# Altium PCB small air quality monitor.PcbDoc
Units mil, origin at the board's own origin, x right, y up, seen from the top; angles counter-clockwise.
Board outline 2075 x 1820 mil, 2 copper layers (Top Layer, Bottom Layer); 23 components, 21 nets, 103 pads, 3 vias.
Unrouted connection lines stored in the file: 61.
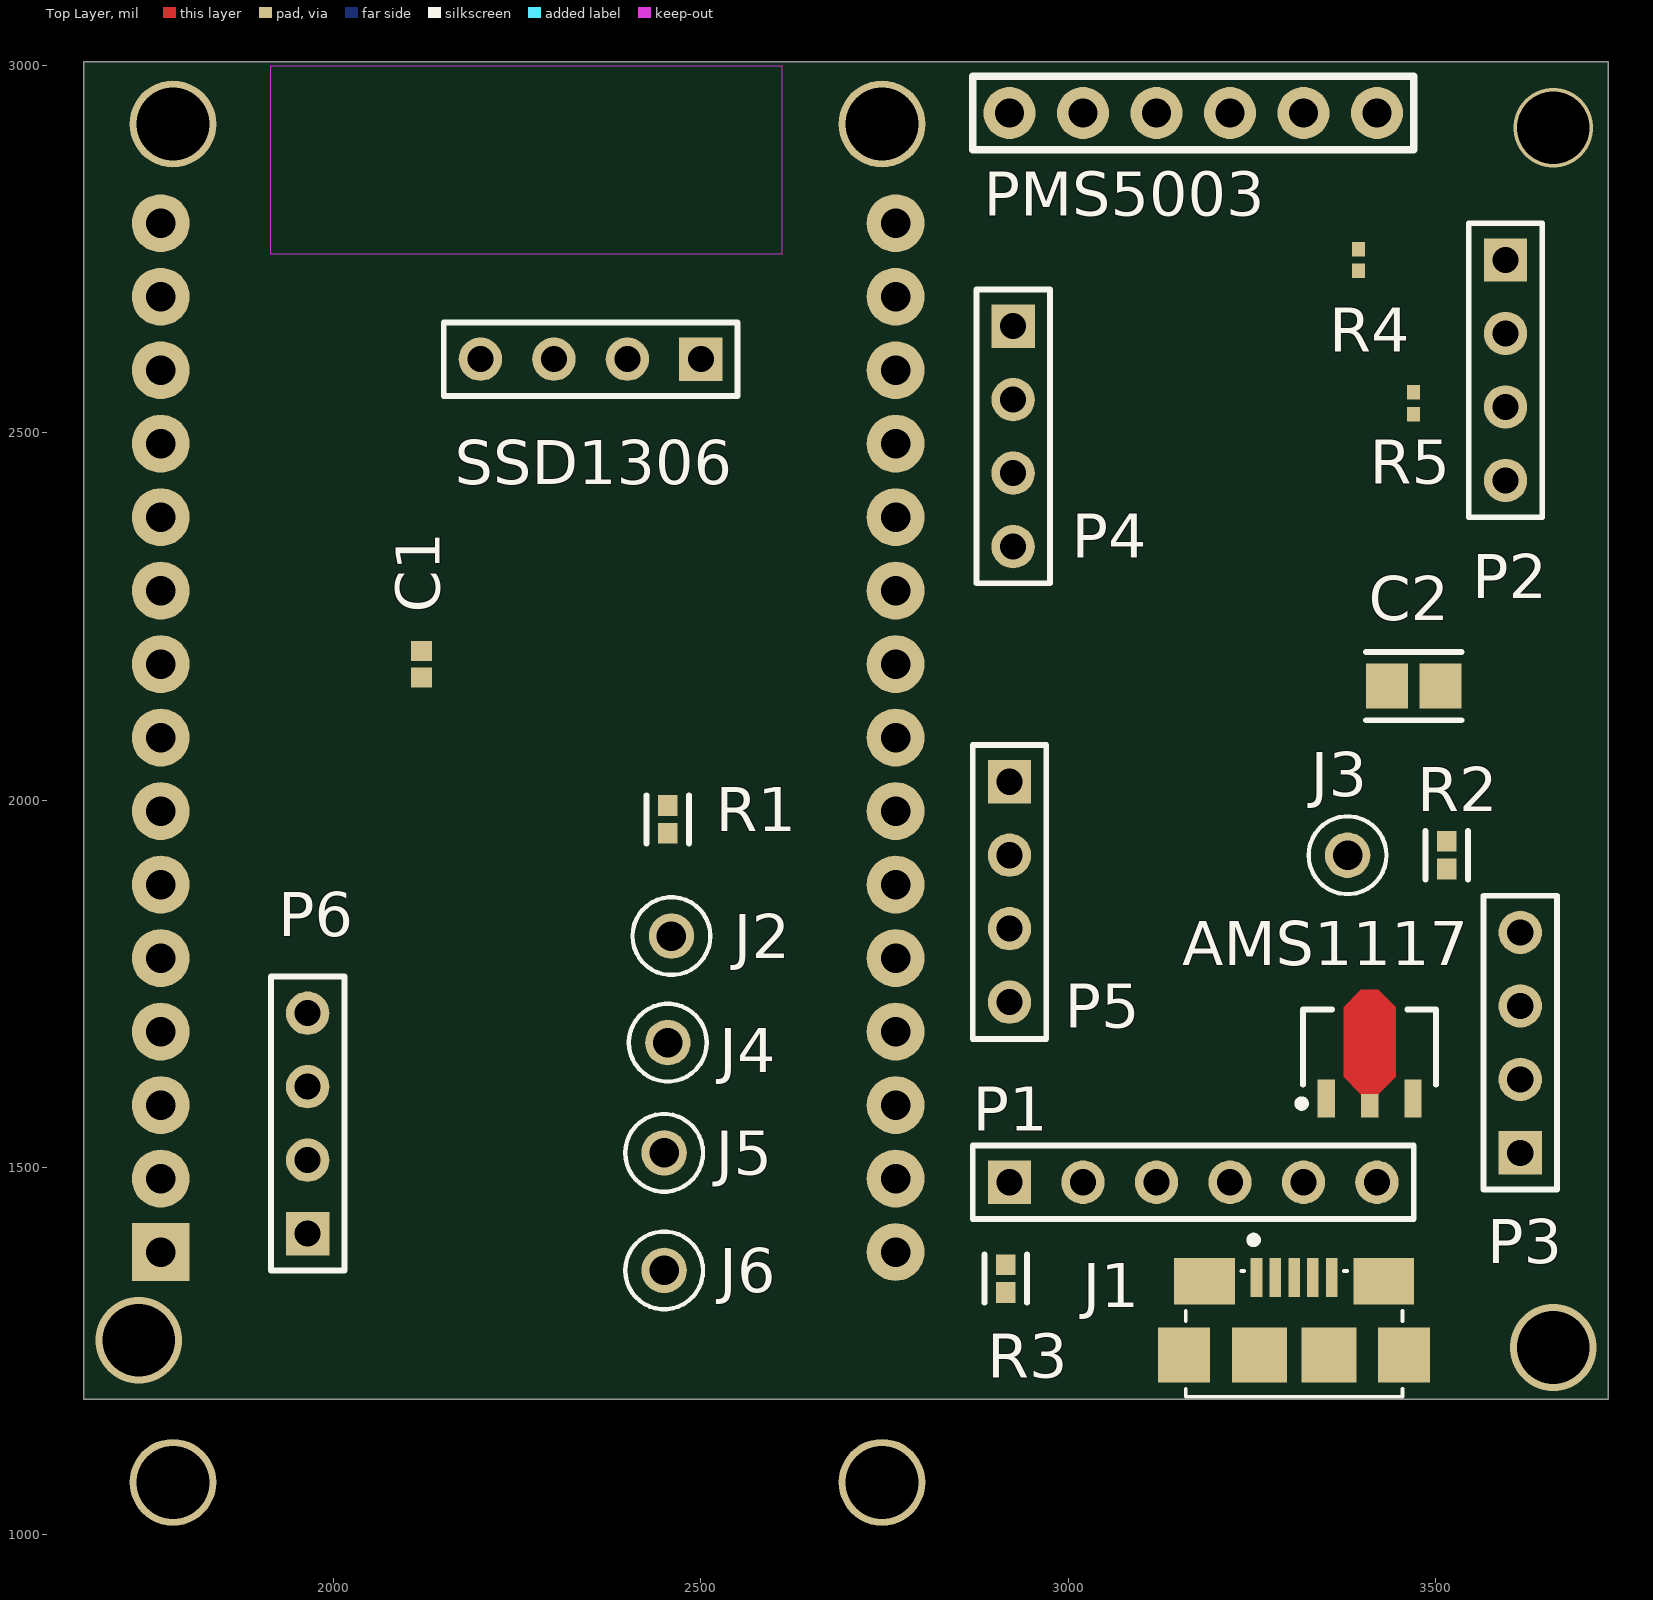
[diagram p0: Top Layer view]
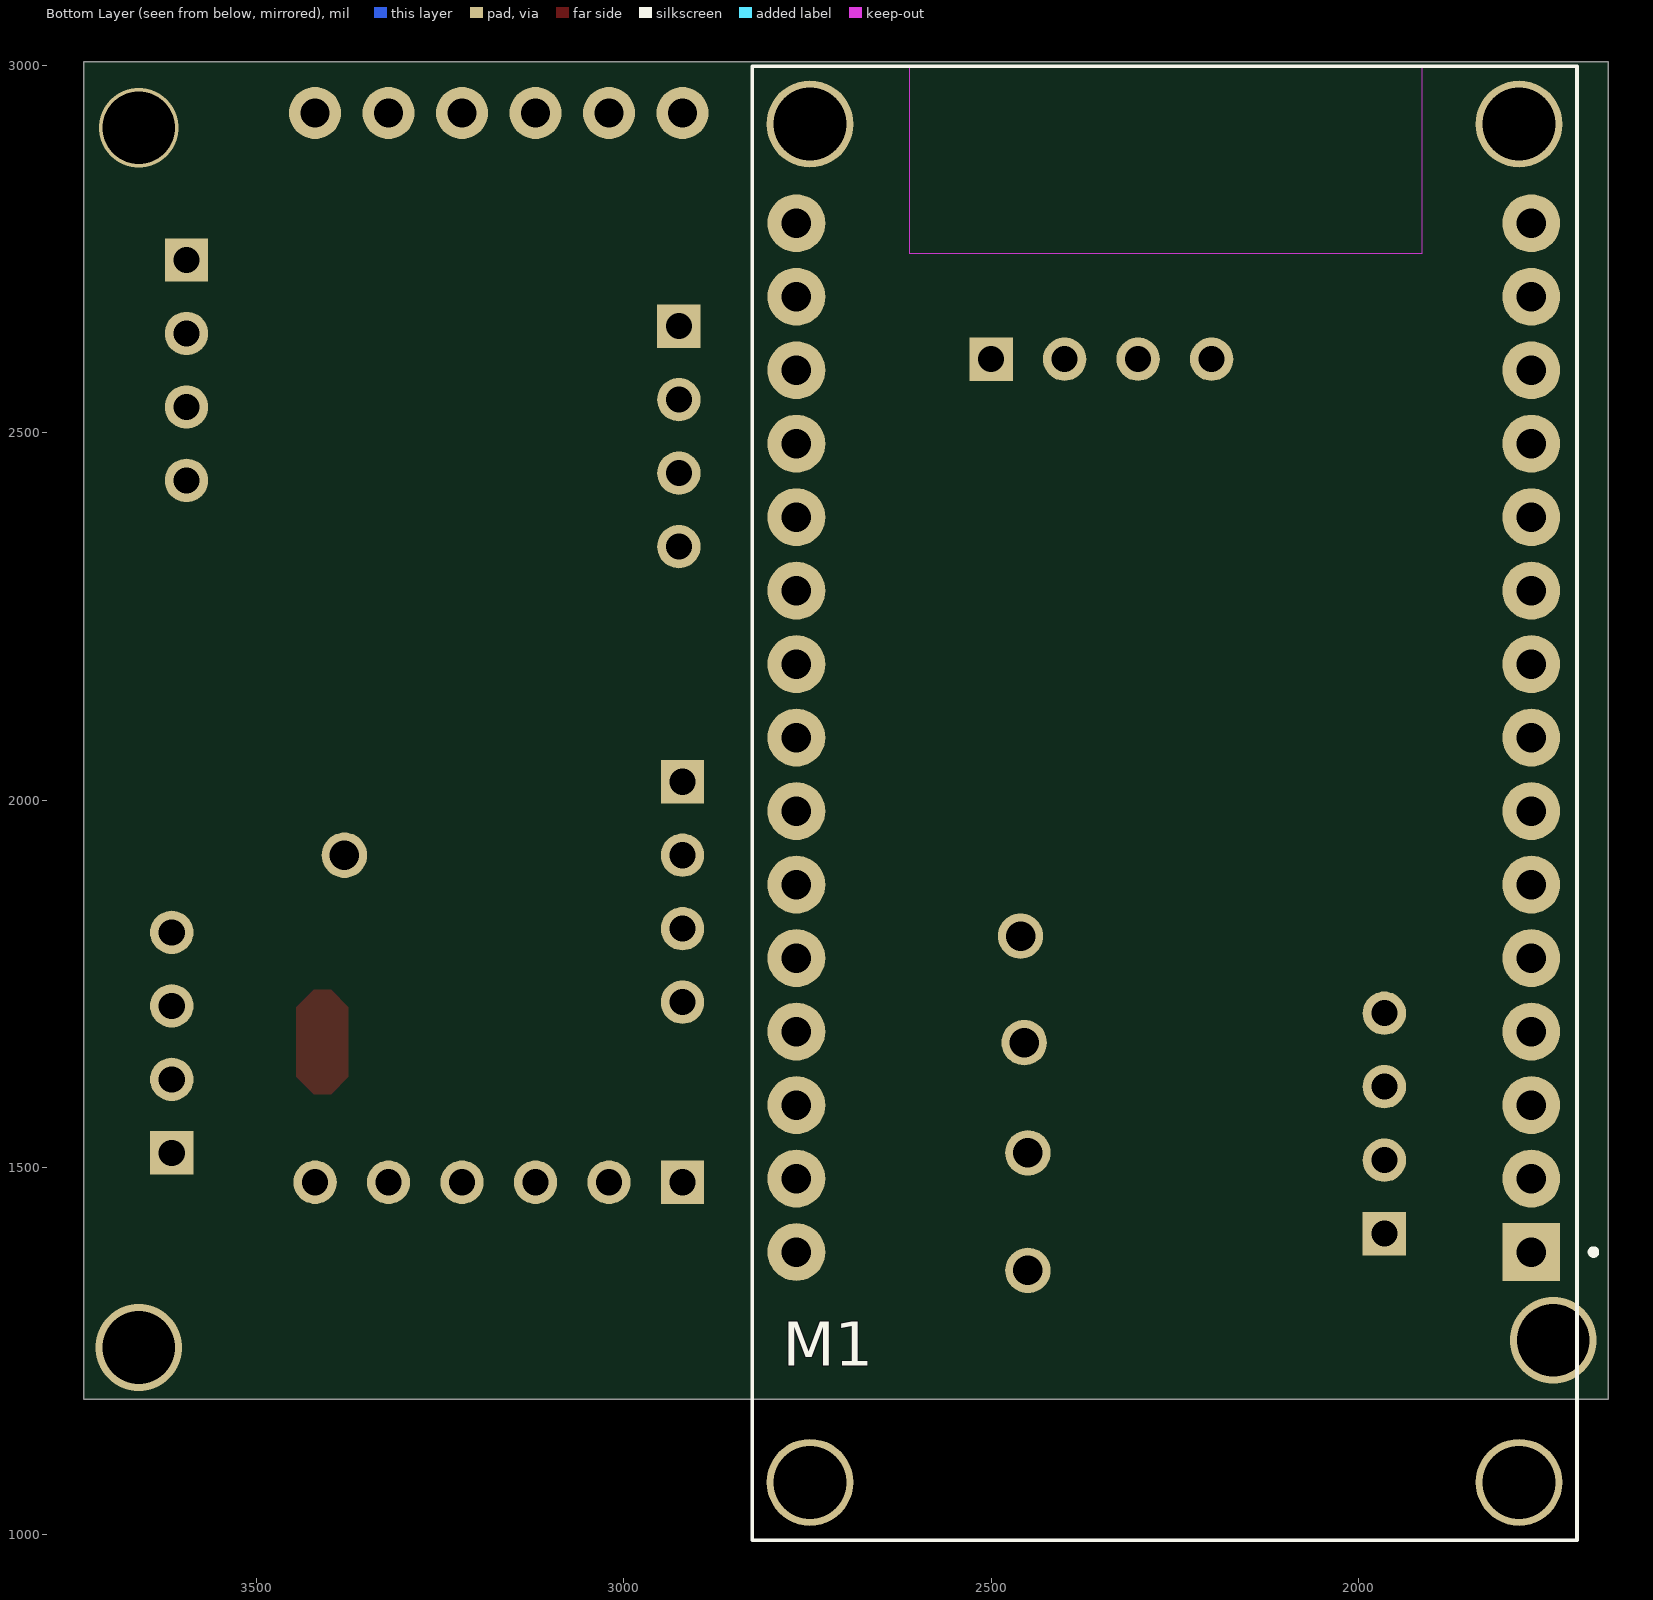
[diagram p1: Bottom Layer view, seen from below]

## Layer stack, top to bottom
Top Solder: solder mask 0.4, Solder Resist, Dk 3.5
Top Layer: signal copper 1.4
Dielectric 1: dielectric 12.6, FR-4, Dk 4.8
Bottom Layer: signal copper 1.4
Bottom Solder: solder mask 0.4, Solder Resist, Dk 3.5

## Board outline
1660,1185 3735,1185 3735,3005 1660,3005

## Design rules (kind name [scope] priority, off if disabled: settings)
Clearance [All] p1: gap=5.98 ignorepadtopadclearanceinfootprint=FALSE
MinimumSolderMaskSliver [All] p1: minsoldermaskwidth=0.98
PolygonConnect [All] p1: connectstyle=Relief reliefconductorwidth=10 reliefentries=4 polygonreliefangle="90 Angle" airgapwidth=10
RoutingVias [All] p1: holewidth=28 width=50 viastyle="Through Hole" minholewidth=28 minwidth=50 maxholewidth=28 maxwidth=50
SilkToSilkClearance [All] p1: silktosilkclearance=1
SilkToSolderMaskClearance [IsPad] p1: minsilkscreentomaskgap=5 clearancetoexposedcopper=TRUE
SolderMaskExpansion [All] p1: expansion=4.02
Width [All] p1: maxlimit=12.01 minlimit=5.98 preferedwidth=10
27 further rules are at their usual default settings.

## Classes and differential pairs
component class "air qulity monitor": J5 J6 M1 P1 P2 P3 P4 P5 P6 PMS5003 R3 R4 R5 SSD1306
component class "5V to 3.3V regulator": AMS1117 C1 C2 J1 J2 J3 J4 J? R1 R2

## Components (designator, comment, footprint, x,y, rotation, side; value= is the part's Value field where it differs from the comment)
AMS1117 "IC1" SOT89-150P350X150-3N 3410,1655 r90 top
C1 "10uF" CAPC1005X70N 2120,2185 r270 top
C2 "22uF" FP-GRM219-0_2-0_15-IPC_A 3470,2155 r0 top
J1 "10118192-0001LF" AMPHENOL_10118192-0001LF 3307.24,1350.32 r0 top
J2 "5004" FP-5004-MFG 2460,1815 r0 top
J3 "5004" FP-5004-MFG 3380,1925 r0 top
J4 "5004" FP-5004-MFG 2455,1670 r0 top
J5 "5004" FP-5004-MFG 2450,1520 r0 top
J6 "5004" FP-5004-MFG 2450,1360 r0 top
M1 "ESP32-WROOM-32" ESP32-DEVKIT-V1 2241.3,1988.98 r0 bottom
P1 "Header 6" HDR1X6 2920,1480 r0 top
P2 "MQ7 sensor Header" HDR1X4 3595,2735 r270 top
P3 "MQ131 sensor Header" HDR1X4 3615,1520 r90 top
P4 "Si7021 Sensor Header" HDR1X4 2925,2645 r270 top
P5 "SGP30 Sensor Header" HDR1X4 2920,2025 r270 top
P6 "ZE08-CH2O sensor Header" HDR1X4 1965,1410 r90 top
PMS5003 "PMS5003 PM2.5 Sensor" "PMS5003 PM2.5 Sensor" 3170,2935 r90 top (schematic designator "PMS5003 PM2.5 Sensor")
R1 "0R" FP-RC0402-0_4-IPC_A 2455,1973.84 r90 top
R2 "0R" FP-RC0402-0_4-IPC_A 3515,1925 r90 top
R3 "0R" FP-RC0402-0_4-IPC_A 2915,1348.84 r270 top
R4 "10kΩ" RESC1005X40X25LL05T10 3395,2735 r270 top value=10kO
R5 "10kΩ" RESC1005X40X25LL05T10 3470,2540 r270 top value=10kO
SSD1306 "Display" HDR1X4 2500,2600 r180 top

## Footprints (in the part's own frame and the unit in brackets; to place one, negate y for a bottom-side part, rotate by r counter-clockwise, add the part's x,y. Pads: shape width x height; smd on the part's side, far side on the other; paste and mask are expansions set on the pad)
AMPHENOL_10118192-0001LF [mm]
  rect 0.4x1.35 smd: 1(-1.3,0) 2(-0.65,0) 3(0,0) 4(0.65,0) 5(1.3,0)
  rect 2.1x1.6 smd: SH1(-3.1,-0.125) SH2(3.1,-0.125)
  rect 1.8x1.9 smd: SH3(-3.8,-2.675) SH6(3.8,-2.675)
  rect 1.9x1.9 smd: SH4(-1.2,-2.675) SH5(1.2,-2.675)
  silkscreen extent -3.75,-4.12 3.75,1.4, body extent -3.94,-4.99 3.98,0.67, height 3.09
CAPC1005X70N [mm]
  rect 0.69x0.72 smd: 1(-0.46,0) 2(0.46,0)
  body extent -0.5,-0.25 0.5,0.25, height 0.7
ESP32-DEVKIT-V1 [mm]
  rect 2x2 hole 1.02: 1(-12.098,15.341)
  round 2 hole 1.02: 2(-12.098,12.801) 3(-12.098,10.261) 4(-12.098,7.721) 5(-12.098,5.181) 6(-12.098,2.641) 7(-12.098,0.101) 8(-12.098,-2.439) 9(-12.098,-4.979) 10(-12.098,-7.519) 11(-12.098,-10.059) 12(-12.098,-12.599) 13(-12.098,-15.139) 14(-12.098,-17.679) 15(-12.098,-20.219) 16(13.302,-20.219) 17(13.302,-17.679) 18(13.302,-15.139) 19(13.302,-12.599) 20(13.302,-10.059) 21(13.302,-7.519) 22(13.302,-4.979) 23(13.302,-2.439) 24(13.302,0.101) 25(13.302,2.641) 26(13.302,5.181) 27(13.302,7.721) 28(13.302,10.261) 29(13.302,12.801) 30(13.302,15.341)
  round 3 hole 2.517 unplated: ""(-11.678,-23.649) ""(-11.678,23.301) ""(12.832,-23.649) ""(12.832,23.301)
  Keep-Out Layer region: 9.382,-25.649 -8.308,-25.649 -8.308,-19.159 9.382,-19.159
  Keep-Out Layer region: 9.382,-25.649 -8.308,-25.649 -8.308,-19.159 9.382,-19.159
  Keep-Out Layer region: 9.382,-25.649 -8.308,-25.649 -8.308,-19.159 9.382,-19.159
  silkscreen extent -14.35,-25.65 14.83,25.3, body extent -13.5,-25.63 15,25.3, height 7.2
FP-5004-MFG [mm]
  round 1.57 hole 1.02 paste-1000 mask+0: 1(0,0)
  silkscreen extent -1.35,-1.34 1.35,1.34, body extent -1.26,-1.27 1.27,1.27, height 4.72
FP-GRM219-0_2-0_15-IPC_A [mil]
  rect 57.27x61.27 smd paste+0 mask+0: 1(-36.45,0) 2(36.45,0)
  silkscreen extent -65,-46 65,46, body extent -39,-25 39,25, height 39
FP-RC0402-0_4-IPC_A [mil]
  rect 28.16x26.48 smd paste+0 mask+0: 1(-18.84,0) 2(18.84,0)
  silkscreen extent -33,-29 33,29, body extent -20,-10 20,10, height 16
HDR1X4 [mm] "Connector; Header; 4 Position"
  rect 1.5x1.5 hole 0.9: 1(0,0)
  round 1.5 hole 0.9: 2(2.54,0) 3(5.08,0) 4(7.62,0)
  silkscreen extent -1.27,-1.27 8.89,1.27
HDR1X6 [mm] "Connector; Header; 6 Position"
  rect 1.5x1.5 hole 0.9: 1(0,0)
  round 1.5 hole 0.9: 2(2.54,0) 3(5.08,0) 4(7.62,0) 5(10.16,0) 6(12.7,0)
  silkscreen extent -1.27,-1.27 13.97,1.27
"PMS5003 PM2.5 Sensor" [mm] "PMS5003 PM2.5 Sensor"
  round 1.8 hole 1: GND(0,3.81) RESET(0,-6.35) RX(0,-1.27) SET(0,1.27) TX(0,-3.81) VCC(0,6.35)
  silkscreen extent -1.27,-7.62 1.27,7.62, body extent -1.27,-7.62 1.27,7.62, height 8.5
RESC1005X40X25LL05T10 [mm] "Chip Resistor, 2-Leads, Body 1.00x0.50mm, IPC High Density"
  rect 0.5x0.45 smd: 1(-0.375,0) 2(0.375,0)
  body extent -0.53,-0.27 0.53,0.28, height 0.4
SOT89-150P350X150-3N [mm] "SOT89, 3-Leads, Body 4.50x2.50mm, Pitch 1.50mm, Lead Span 3.5mm, IPC Medium Density"
  rect 1.3x0.6 smd: 1(-1.55,1.5) 3(-1.55,-1.5)
  rect 0.8x0.6 smd: 2(-1.8,0)
  Top Layer region: -1.4,0.3 -0.8,0.9 1.6,0.9 2.2,0.3 2.2,-0.3 1.6,-0.9 -0.8,-0.9 -1.4,-0.3
  silkscreen extent -1.85,-2.3 1.53,2.47, body extent -2.02,-2.27 2.22,2.27, height 1.5

## Part data
AMS1117: library part IC?, "75dB@(120Hz) 1A 1.25V@(1A) ±125?@(Tj) Fixed 3.3V~3.3V Positive 1 20V SOT-89 Linear Voltage Regulators (LDO) ROHS", LCSC Part #=C2904742, Manufacturer=YONGYUTAI, Mfr. Part #=AMS1117-3.3, Package=SOT-89, Datasheet=https://datasheet.lcsc.com/lcsc/2110121330_YONGYUTAI-AMS1117-3-3_C2904742.pdf
C1: library part CL05A106MQ5NUNC, "6.3V 10uF X5R ±20% 0402 Multilayer Ceramic Capacitors MLCC - SMD/SMT ROHS", LCSC Part #=C15525, Manufacturer="Samsung Electro-Mechanics", Package=0402, Datasheet Link=https://datasheet.datasheetarchive.com/originals/distributors/Datasheets-DGA10/2406160.pdf, Mfr. Part #=CL05A106MQ5NUNC
C2: library part CMP-06035-056251-1, "Chip Multilayer Ceramic Capacitors for General Purpose, 0805, 22uF, X5R, 15%, 20%, 16V", LCSC Part #=C162295, Manufacturer="Murata Electronics", Mfr. Part #=GRM219R61C226ME15L, Package=0805, Datasheet=https://datasheet.lcsc.com/lcsc/1811141821_Murata-Electronics-GRM219R61C226ME15L_C162295.pdf
J1: "Single Port 5 Contact Horizontal Right Angle Shielded Micro B USB 2.0 Connector", Package=None, Availability=Unavailable, MP=10118192-0001LF, Price=None
J2 J3 J4 J5 J6: library part CMP-2000-05575-2, "PC TEST POINT MINIATURE YELLOW", LCSC Part #=C2906762, Manufacturer=Keystone, ComponentLink2Description=Datasheet, ComponentLink2URL=https://www.keyelco.com/product-pdf.cfm?p=1313, Datasheet=https://datasheet.lcsc.com/lcsc/2201121200_Keystone-5004_C2906762.pdf, Mfr. Part #=5004, Package=5004
M1: library part ESP32-DEVKIT-V1, "Dual core, Wi-Fi: 2.4 GHz up to 150 Mbits/s,BLE (Bluetooth Low Energy) and legacy Bluetooth, 32 bits, Up to 240 MHz"
P1: "Header, 6-Pin", LatestRevisionDate=17-Jul-2002, LatestRevisionNote="Re-released for DXP Platform.", Publisher="Altium Limited"
P2 P3 P4 P5 P6 SSD1306: library part "Header 4", "Header, 4-Pin", LatestRevisionDate=17-Jul-2002, LatestRevisionNote="Re-released for DXP Platform.", Publisher="Altium Limited"
R1 R2 R3: library part CMP-2002-07342-2, "RES SMD 0 OHM JUMPER 1/16W 0402", LCSC Part #=C106231, Manufacturer=Yageo, Mfr. Part #=RC0402FR-070RL, Package=0402, Datasheet=https://www.lcsc.com/product-detail/Chip-Resistor-Surface-Mount_YAGEO-RC0402FR-070RL_C106231.html
R4 R5: library part CMP-2002-07353-1, "62.5mW 50V ±100ppm/? ±1% -55?~+155? 10kO 0402 Chip Resistor - Surface Mount ROHS", LCSC Part #=C60490, Manufacturer="Yageo / Phycomp", Mfr. Part #=RC0402FR-0710KL, Package=0402, Datasheet=https://datasheet.lcsc.com/lcsc/1809301715_YAGEO-RC0402FR-0710KL_C60490.pdf

## Via types
v1: diameter 118.11, hole 99.11, Top Layer to Bottom Layer, 2 vias
v2: diameter 108.11, hole 99.11, Top Layer to Bottom Layer, 1 vias

## Nets (pads, with @x,y where several pads share a name; then routed paths per layer and width w, separated by ;. In a path a pad name is that pad's centre, name@x,y a point inside that pad or via, vN(x,y) a via of type N, cw(c..) or ccw(c..) an arc to the next point about the centre after c; other vN are vias at no path point)
3.3V: AMS1117.2 C2.1 P1.1 P4.1 P5.1 R2.1 R4.2 R5.2
5V: AMS1117.3 C1.2 P1.2 P2.1 P3.1 P6.2 PMS5003.VCC R1.2 R3.1 SSD1306.2
D+: J1.3 P1.4
D-: J1.2 P1.3
DOUT1: J5.1 P2.3
DOUT2: J6.1 P3.2
GND: AMS1117.1 C1.1 C2.2 J1.5 J1.SH1 J1.SH2 J1.SH3 J1.SH4 J1.SH5 J1.SH6 J4.1 M1.2 M1.29 P1.6 P2.2 P3.4 P4.2 P5.2 P6.1 PMS5003.GND SSD1306.1
ID: J1.4 P1.5
NetJ1_1: J1.1 J2.1 R1.1
NetJ3_1: J3.1 R2.2
NetM1_5: M1.5 P3.3
NetM1_6: M1.6 PMS5003.TX
NetM1_7: M1.7 PMS5003.RX
NetM1_12: M1.12 P6.3
NetM1_13: M1.13 P6.4
NetM1_20: M1.20 P2.4
NetM1_23: M1.23 PMS5003.RESET R5.1
NetM1_24: M1.24 PMS5003.SET R4.1
NetM1_30: M1.30 R3.2
SCL: M1.14 P4.3 P5.3 SSD1306.3
SDA: M1.11 P4.4 P5.4 SSD1306.4
pads on no net: M1. M1.1 M1.3 M1.4 M1.8 M1.9 M1.10 M1.15 M1.16 M1.17 M1.18 M1.19 M1.21 M1.22 M1.25 M1.26 M1.27 M1.28
copper on no net:
  other v1: 3660,1255 1735,1265
  other v2: 3660,2915

## Silkscreen, mask and mechanical layers (free items; w line width, h text height)
Top Overlay:
  text "DIY Air Quality Monitor 1.0" at 1335,1400 h60 r90
  text "2022/11/30" at 1420,1390 h60 r90
Mechanical 1:
  lines w10: 1462.61,1068.51 1482.46,1008.46 ; 1467.31,2973.51 1487.46,3033.46 ; 1472.46,1008.49 1492.46,1008.44 ; 1477.46,3033.49 1497.46,3033.44 ; 1483.99,1625.09 1482.46,1008.46 ; 1485.94,2416.84 1487.46,3033.46 ; 1502.61,1068.42 1482.46,1008.46 ; 1507.31,2973.42 1487.46,3033.46 ; 1666.56,784.48 1666.71,764.48 ; 1670,3095 1670,3115 ; 1726.48,794.94 1666.63,774.48 ; 1726.79,754.94 1666.63,774.48 ; 1730,3085 1670,3105 ; 1730,3125 1670,3105 ; 2424.09,3105 1670,3105 ; 2861.51,936.08 2861.84,916.09 ; 2908.27,783.96 1666.63,774.48 ; 2921.33,947.08 2861.67,926.08 ; 2922,907.09 2861.67,926.08 ; 2985.91,3105 3740,3105 ; 3528.35,937.17 2861.67,926.08 ; 3680,3085 3740,3105 ; 3680,3125 3740,3105 ; 3700,790 4941.63,799.48 ; 3740,3095 3740,3115 ; 3805,1244.08 3825,1184.08 ; 3805,2954.08 3825,3014.08 ; 3815,1184.08 3835,1184.08 ; 3815,3014.08 3835,3014.08 ; 3825,1823.17 3825,1184.08 ; 3825,2375 3825,3014.08 ; 3845,1244.08 3825,1184.08 ; 3845,2954.08 3825,3014.08 ; 4300,950 4966.67,961.08 ; 4881.48,819.02 4941.63,799.48 ; 4881.79,779.02 4941.63,799.48 ; 4906.35,980.08 4966.67,961.08 ; 4907.01,940.09 4966.67,961.08 ; 4941.56,809.48 4941.71,789.48 ; 4966.51,971.08 4966.84,951.09 ; 1665,1180 1665,3010 3735,3010 3735,1180 1665,1180
  text "2070 (mil)" at 2434.09,3069.01 h60
  text "1830 (mil)" at 3789.01,2365 h60 r270
  text "2025.006 (mil)" at 1520,1635 h60 r89.86
  text "2105.291 (mil)" at 3538.94,901.35 h60 r0.95
  text "3275.095 (mil)" at 2918.54,748.04 h60 r0.44